# Altium PCB Whitespace_Daughtercard.PcbDoc (part 2 of 5) (continued)
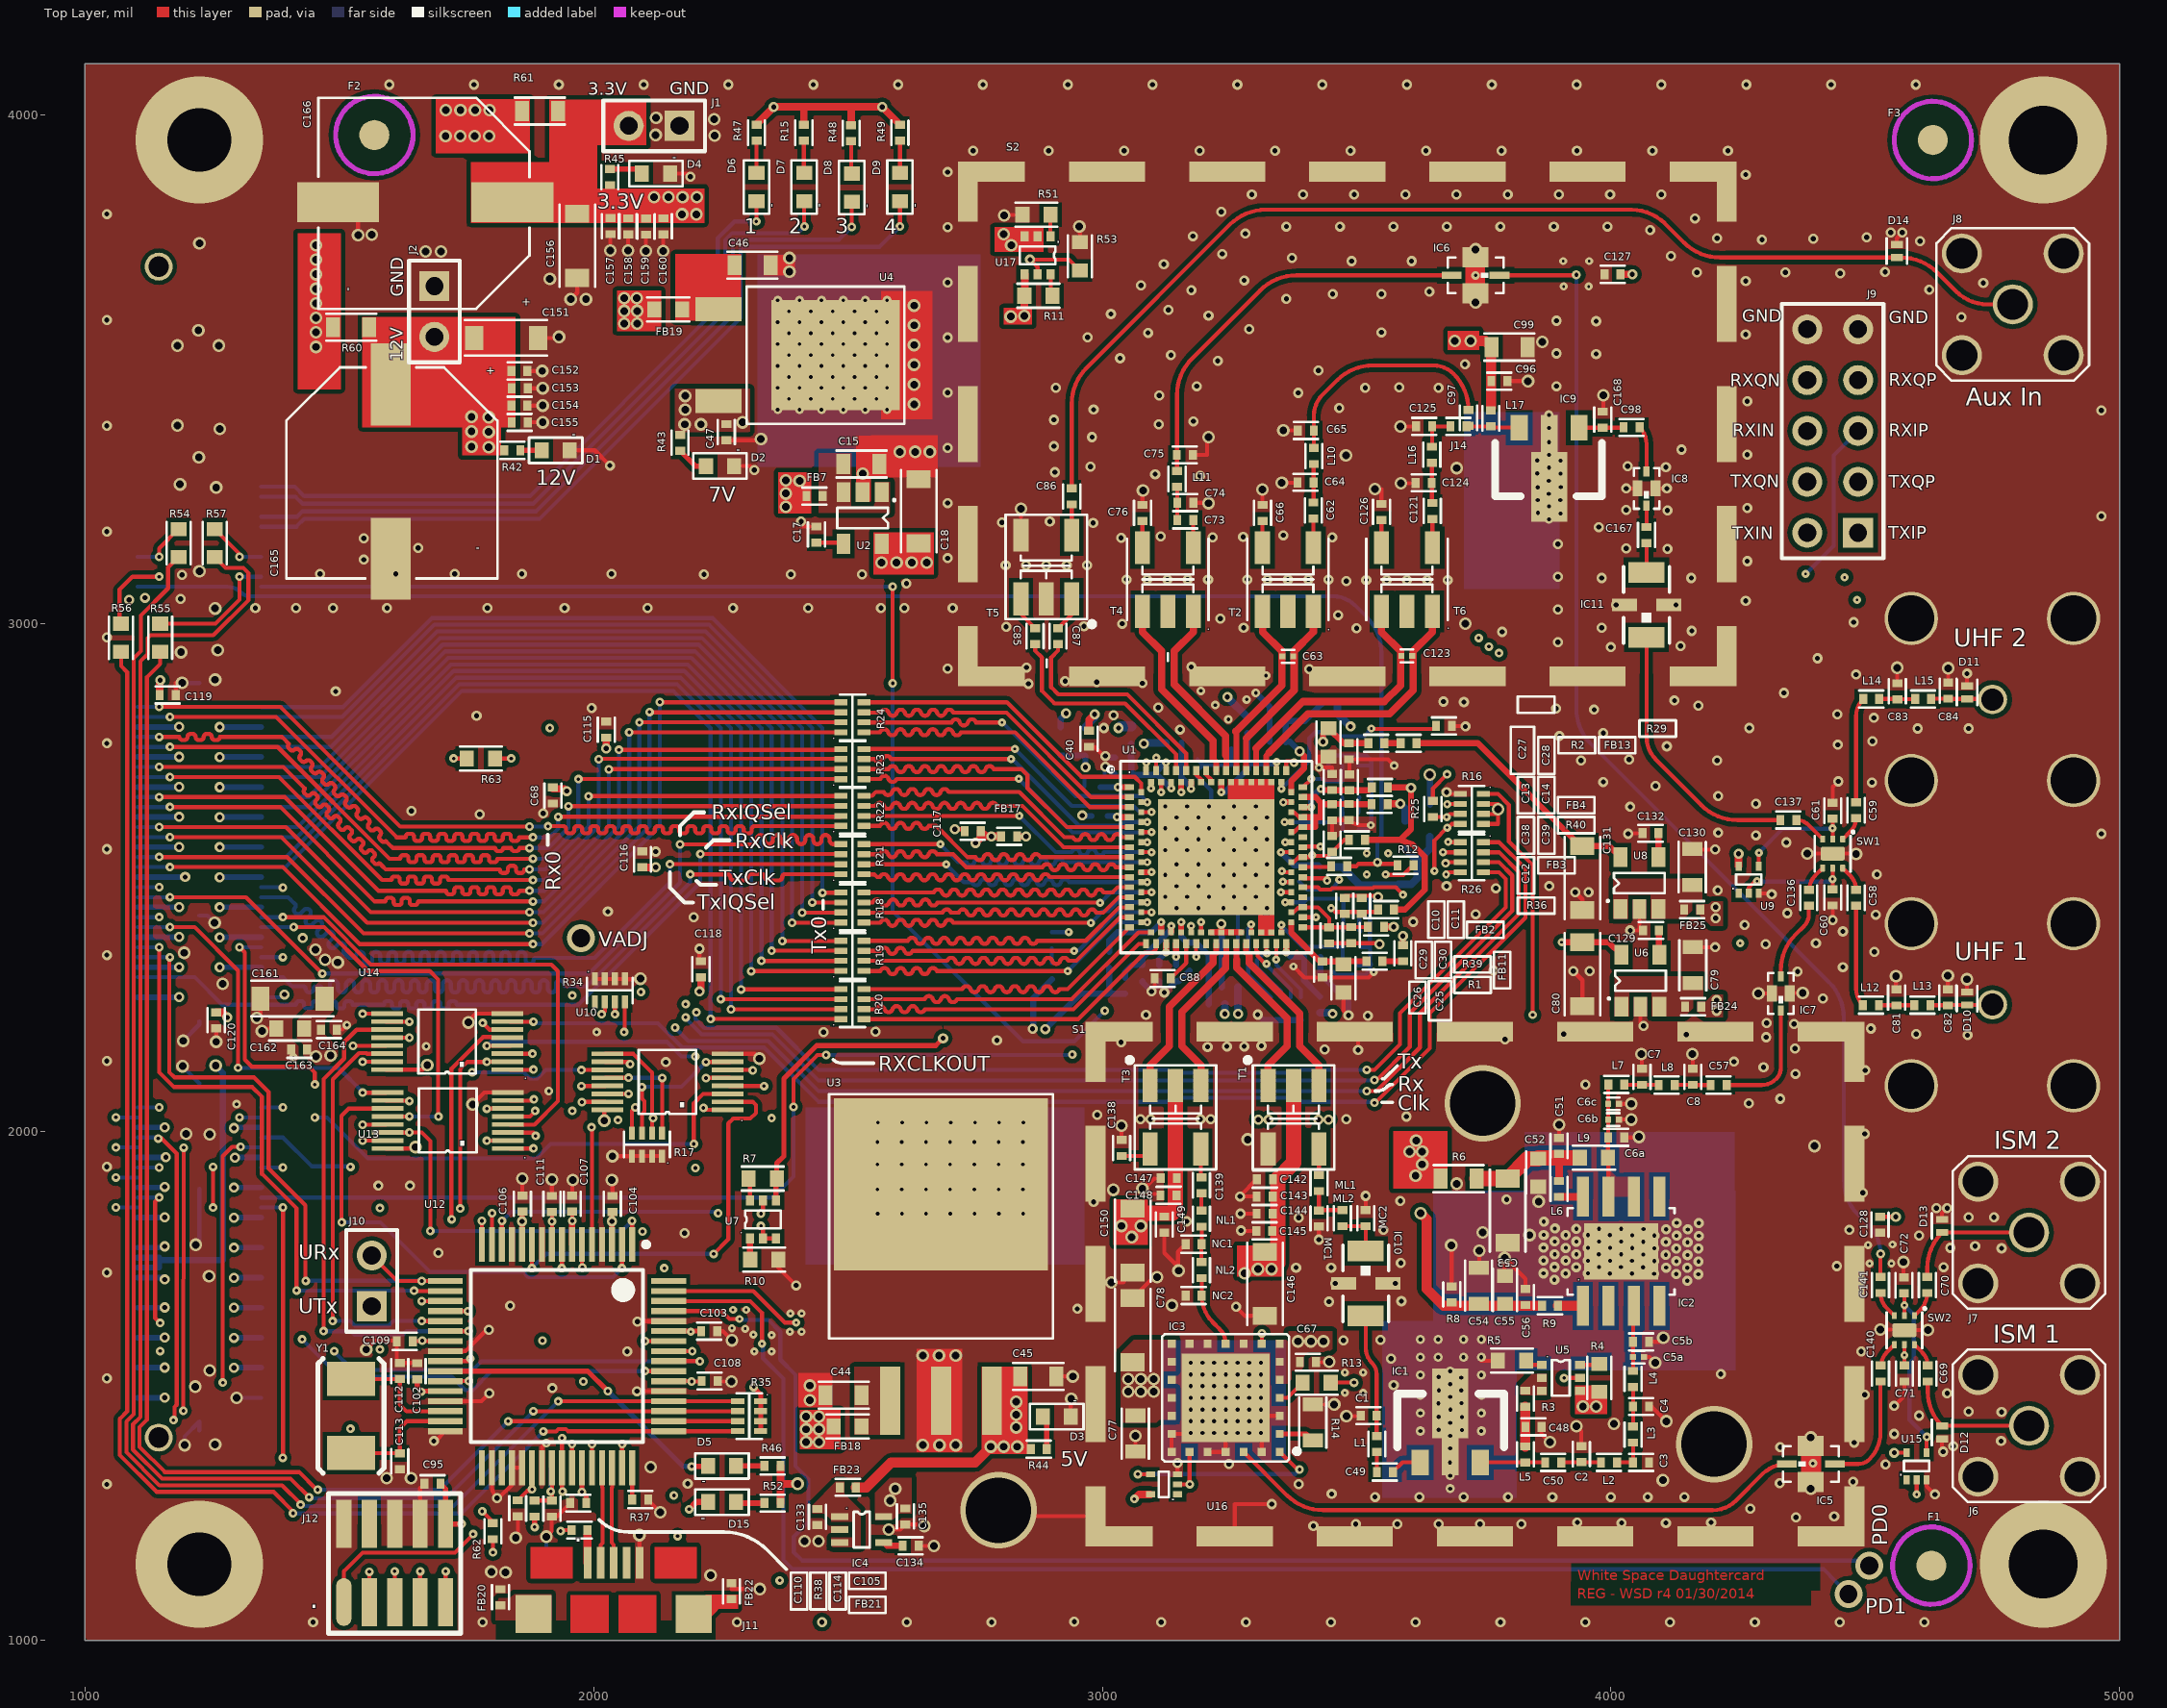
[diagram p0: Top Layer view]
## Nets (pads, with @x,y where several pads share a name; then routed paths per layer and width w, separated by ;. In a path a pad name is that pad's centre, name@x,y a point inside that pad or via, vN(x,y) a via of type N, cw(c..) or ccw(c..) an arc to the next point about the centre after c; other vN are vias at no path point) (continued)
  Bottom Layer w7.94: v3@1191.52,2882.48 J3.165@1225,2882.48 ; v3(1192,2129) 1192,2128.08 J3.169@1225,2095.08 ; v3(1193,2179) 1225,2211 J3.168@1225,2217.52 ; v3(1196,1384) 1196,1401.12 J3.172@1225,1430.12 J3.172@1225,1413 ; v3(1218,1778) 1225,1785 J3.170@1225,1887.6 ; J3.167@1225,2425 1241,2425 v3(1255,2411) ; v3(1298,1477) 1346.49,1477 J3.160@1346.65,1477.17 ; SW3.4@1907,1162 v3(1907,1204) ; C41.1@2965,2679 2965,2697.81 3005,2697.81 v1@3005,2717 ; C22.1@3187,2732 3198,2721 ; v4@3214,2636 3214,2671.5 C21.2@3186.5,2699 3186.5,2709.5 3198,2721 ; C23.2@3254,2721.5 C24.1@3254,2754 ; C23.2@3254.5,2721 3198,2721 ; C5.2@3266.5,2350 3266.5,2438 ; C35.2@3387,2492.5 3402.97,2476.53 3452.53,2476.53 v10(3466,2496) ; 3445,2709 3445,2725 3460,2740 3519,2740 3529,2730 3529,2720 ; 3454.5,2314 3459.5,2309 3517.5,2309 3526.5,2318 3526.5,2329 3526.5,2363 R33.1@3507.5,2363 ; C89.1@3503,2720 3529,2720 ; C91.1@3504,2594 3520,2594 3529,2603 3529,2720 ; C94.1@3505.5,2459 3526.31,2459 ; 3526.31,2363 3526.31,2459 ; v1(3542,2462) 3532,2462 3529,2459 3526.31,2459
  Bottom Layer w12: v1@2864,2202.5 2864,2263 R28.1@2901,2300 ; v1(2961,2622) 2962,2621 C42.1@2979,2621 ; v1@3006,2736 C20.1@3025,2736 ; v1@3010.5,2717 C19.2@3025.5,2702 ; C16.2@3079,2296.5 3079,2294 v1(3097,2276) 3112,2291 C43.1@3112,2296 ; v1@3129,2276 3129,2280 C9.1@3145,2296 3150.28,2296 C34.1@3171.28,2317 ; v2(3302,2863) 3329,2836 C37.1@3329,2808 C36.2@3329,2766.5 ; v1(3305.5,2230.5) 3316.64,2219.36 R41.1@3331.47,2219.36 R41.2@3351.16,2219.36 R41.3@3370.84,2219.36 R41.4@3390.53,2219.36 ; C31.2@3428.5,2344 3428.5,2311.5 C32.1@3428,2311 3484,2255 v1@3484,2234 ; C92.1@3504.5,2329 3526.5,2329
  other v1: 1448.48,1036 1781.96,1036 2282.17,1036 2615.65,1036 2782.39,1036 3115.87,1036 3282.61,1036 3449.35,1036 3616.09,1036 3782.83,1036 3949.56,1036 4116.3,1036 4283.04,1036 4449.78,1036 4616.52,1036 2945,1037 3415,1225 3498.4,1229 3579.8,1229 3661.2,1229 3742.6,1229 3824,1229 4021,1231 4108,1231 3934,1232 4197,1232 4364,1242 4439,1244 4274,1259 3536.2,1282 3623.4,1282 3710.6,1282 3797.8,1282 3885,1282 4000,1282 4072.25,1282 4144.5,1282 3451,1288 1043,1306.86 3386,1307 2185,1308 4332,1309 4476,1312 4540,1346 3249,1347 4333,1380 4673,1382 4478,1389 4767,1392 4557,1406 4606,1442 4768,1449 4703,1450 4499,1483 4661,1486 2085,1490 1919,1496 3573,1502 1043,1515 4216,1524 3568,1554 2066,1568 4492,1568 3474,1590 3547,1591 2951,1652 1836,1658 3446,1666 3588,1667 3458,1702 3576,1702 1043,1723.14 3381,1733 3450,1733 4654,1734 4444,1736 3587,1742 1695,1762 4768,1771 4667,1772 4716,1775 4606,1796 2179,1801 3273,1806 3553,1807 4469,1807 3166,1824 3386,1831 4703,1832 4753,1832 4640,1850 2983,1862 3586,1864 3795,1867 4495,1880 1577,1894 1639,1894 1043,1931.29 4499,1996 3075,2025 3095,2025 3193,2025 3213,2025 3480,2025 3598,2030 2989.84,2033.58 4271,2056 4333,2065 3950,2093 4363,2114 4500,2121 4300,2127 2142,2137 4242,2138 1043,2139.43 3437,2162 4362,2164 3207,2167 3245,2168 3279,2168 3313,2169 3037,2176 2793,2180 3792,2182 4305,2186 4701,2190 4148,2191 3907,2192 4600,2192 2452,2196 2554,2197 2863,2202.5 4511,2203 4360,2212 4306,2214 3522,2228 3086,2230 4417,2262 3122,2274 4367,2315 3958,2316 3769,2317 4456,2324 1043,2347.57 4518,2354 4304,2369 4403,2371 1428,2381 4456,2394 4263,2407 3611,2413 4436,2416 2197,2422 4521,2427 3734,2428 4347,2430 2028,2433 4316,2467 3956,2471 4210,2475 3774,2479 3677,2483 3879,2483 4523,2506 2122,2551 1043,2555.71 4345,2569 4285,2583 4034,2586 4964,2586 4211,2588 1776,2624 1901,2626 1642,2631 4038,2639 4285,2645 4211,2660 3677,2668 4088,2680 4513,2687 3985,2688 3006,2718 3941,2730 4209,2730 4036,2732 3006,2739 4110,2758 4446,2761 1043,2763.86 4514,2768 3899,2778 3985,2784 3153,2791 4603,2793 4703,2793 3003,2794 4272,2794 3714,2797 4517,2814 1770,2818 3022,2819 4445,2821 3967,2830 3892,2832 1996,2833 3110,2834 4172,2838 3711,2845 3671,2846 4125,2848 4340,2863 1493,2866 2855,2881 3079,2882 2989,2884 2927,2886 4482,2899 3407,2910 2696,2911 2851,2913 3175,2914 4406,2931 4000,2953 4137,2955 3896,2962.6 1043,2972 3786,2983 4159,2985 3500,2990 3278,2991 3982,2991 2811,2993 2964,2994 3039,2999 4477,3002 3232,3009 3464,3016 3896,3027 1335,3030 1415,3030 1488,3030 1594,3030 1791,3030 1943,3030 2106,3030 2274,3030 2422,3030 2565,3030 2611,3030 2706,3030 4010,3036 4128,3036 4265,3044 1087,3046 1188,3048 2615,3078 3480,3083 3519,3085 3559,3085 3599,3085 3639,3085 3679,3085 3048,3086 3088,3086 3128,3086 3168,3086 3208,3086 3285,3086 3325,3086 3365,3086 3405,3086 3445,3086 3982,3089 4158,3089 3896,3091.4 1191,3095 2217,3096 2388,3096 2528,3096 1462,3097 1611,3097 1727,3097 1859,3097 2035,3097 2810,3114 2850,3114 2890,3114 2930,3114 2970,3114 4268,3122 1548,3125 2696,3127.89 4111,3146 4030,3147 1655,3148 3896,3155.8 1548,3167 3037,3168 3217,3169 3452,3169 3277,3170 3115,3171 3356,3173 1043,3180.14 3976,3189 2982,3197 2803,3198 2897,3200 4964,3210.43 4111,3222 4030,3223 4268,3226.75 2696,3236.33 3192,3290 3104,3293 2907,3297 4108,3307 2977,3308 4033,3309 4268,3331.5 4139,3341.4 2696,3344.78 2905,3348 2980,3366 1043,3388.29 3111,3391 3179,3397 2905,3400 4964,3418.57 2983,3420 3466,3423 4268,3436.25 3112,3448 2696,3453.22 3385,3453 2909,3463 3517,3463 3661,3463 3584,3464 3186,3466 3893,3466 3425,3497 3713,3509 3227,3516 3035,3521 3135,3527 3971,3529.4 3893,3530.4 2696,3561.67 2971,3562 4265,3567.75 3090,3571 3549,3572 3289,3578 3971,3593.8 3893,3594.8 1043,3596.43 4689,3602 3209,3605 3017,3608 3130,3616 3362,3638 3453,3647 3549,3647 3643,3652 3175,3655 4626,3656 3076,3664 4732,3669 2696,3670.11 4265,3672.5 3279,3674 4451,3688 4169,3690 4343,3690 4539,3691 3121,3706 3490,3712 3608,3712 3373,3718 4118,3722 3236,3726 4608,3751 4297,3754 4398,3756 4209,3757 4503,3759 3178,3761 3281,3766 4550,3768 4077,3773 2696,3778.56 3362,3780 3467.17,3780 3572.33,3780 3677.5,3780 3782.67,3780 3887.83,3780 3993,3780 4165,3796 1043,3804.57 3234,3809 3294,3843 3394.62,3843 3495.25,3843 3595.88,3843 3696.5,3843 3797.12,3843 3897.75,3843 3998.38,3843 4099,3843 4265,3882 2696,3887 2746,3929 2894.4,3929 3042.8,3929 3191.2,3929 3339.6,3929 3488,3929 3636.4,3929 3784.8,3929 3933.2,3929 4081.6,3929 4230,3929 1598.22,4059 1764.96,4059 1931.7,4059 2098.44,4059 2265.17,4059 2431.91,4059 2598.65,4059 2765.39,4059 2932.13,4059 3098.87,4059 3265.61,4059 3432.35,4059 3599.09,4059 3765.83,4059 3932.57,4059 4099.3,4059 4266.04,4059 4432.78,4059 4599.52,4059
  other v2: 4397,1348 1997,1386.02 2558.33,1839 2606,1839 2653.67,1839 2701.33,1839 2749,1839 2796.67,1839 2844.33,1839 2558,1887 2605.67,1887 2653.33,1887 2701,1887 2748.67,1887 2796.33,1887 2844,1887 2558,1936 2605.67,1936 2653.33,1936 2701,1936 2748.67,1936 2796.33,1936 2844,1936 2558,1980 2605.67,1980 2653.33,1980 2701,1980 2748.67,1980 2796.33,1980 2844,1980 2559,2018 2606.67,2018 2654.33,2018 2702,2018 2749.67,2018 2797.33,2018 2845,2018 1298,2054.35 1912,2080 1671,2168 2006,2196 3377,2726 3248,2811 3222,2839 3284,2850 3194,2867 3322,2897 3734,3684
  other v3: 2230,1128 1827,1134 1799,1135 2415,1195 2442,1195 2650,1225 4393,1298 4102,1315 1593,1319 1641,1319 2112,1341 2647,1384 2680,1384 2712,1384 1256,1385 4393,1399 4006,1426 2425,1472 1217,1499 2425,1501 1245,1531 2647,1560 2679,1560 2712,1560 3137,1659 1244,1716 3150,1727 3840,1797 3748,1802 3858,1863 3022,1886 3079,1888 3697,1898 4400,1972 3286,1985 4055,1990 1245,1995 1199,1996 1348,2198 1754,2215 1271,2291 2092,2301 1195,2352 4482,2546 1256,2889 1189,2943 1261,2947 3714,2999 1256,3029 1225,3102 1258,3267 1187,3273 3697,3305 1224,3326 3479,3330 2602,3337.02 2632,3337.02 2661,3337.02 3209,3366 1265,3382 1182,3389 2630,3430.6 2630,3469.4 2630,3508.2 1182,3546 1263,3546 2630,3547 3865,3553 1932,3563 1223,3576 2630,3585.8 2630,3624.6 3734,3631 1985,3637 1914,3677 2385,3691 2385,3718 1670,3731 1700,3731 3734,3735 1225,3747 1564,3764 2955,3780 2807,3802 2238,3959 2122,3960 2237,3991 2123,3994
  other v4: 3683.99,1324.02 3683.79,1349.86 3683.89,1377.43 3683.99,1402.46 3174,1408 3197,1408 3220,1408 3243,1408 3266,1408 3289,1408 3312,1408 3661.39,1414.16 3707.25,1413.64 3684.09,1427.65 3174,1431 3197,1431 3220,1431 3243,1431 3266,1431 3289,1431 3312,1431 3707,1439 3661.39,1439.56 3174,1454 3197,1454 3220,1454 3243,1454 3266,1454 3289,1454 3312,1454 3684.3,1453.9 3660.68,1465.91 3706.04,1466.47 3174,1477 3197,1477 3220,1477 3243,1477 3266,1477 3289,1477 3312,1477 3684.2,1478.98 3661.7,1491.65 3705.99,1491.55 3174,1500 3197,1500 3220,1500 3243,1500 3266,1500 3289,1500 3312,1500 3684.15,1504.07 3705.78,1516.64 3661.39,1518 3174,1523 3197,1523 3220,1523 3243,1523 3266,1523 3289,1523 3312,1523 3684.15,1529.2 3174,1546 3197,1546 3220,1546 3243,1546 3266,1546 3289,1546 3312,1546 3146,2440 3189,2440 3238,2440 3281,2440 3324,2440 3124,2462 3167,2462 3210,2462 3259,2462 3302,2462 3146,2483 3189,2483 3238,2483 3281,2483 3324,2483 3124,2505 3167,2505 3210,2505 3259,2505 3302,2505 3146,2526 3189,2526 3238,2526 3281,2526 3324,2526 3124,2554 3167,2554 3210,2554 3259,2554 3302,2554 3146,2575 3189,2575 3238,2575 3281,2575 3324,2575 3259,2596 3124,2597 3167,2597 3210,2597 3302,2597 3146,2618 3189,2618 3238,2618 3281,2618 3324,2618 3124,2640 3167,2640 3210,2640 3259,2640 3302,2640 3878.11,3204.43 3900.86,3215.63 3856.47,3217 3878.11,3229.57 3856.27,3242.08 3900.56,3241.98 3878.06,3254.65 3856.22,3267.17 3901.57,3267.73 3877.96,3279.74 3900.86,3294.08 3855.25,3294.64 3878.16,3305.99 3900.86,3319.48 3855,3320 3878.26,3331.17 3878.36,3356.21 3878.46,3383.77 3878.26,3409.62
  other v5: 3477,1487 3513,1487 3477,1527 3513,1527 2316,1568 2350,1568 2350,1600 2314,1601 2386,1607 2409,1607 2298,1613 2272,1614 2387,1643 2409,1643 2274,1650 2300,1650 4508.47,1741.53 4551.47,1741.53 4505.47,1777.53 4553.47,1778.53 3520,2506 3520,2548 3562,2548 3907,3662 3956,3662 3906,3712 3957,3712
  other v6: 4150.11,1707.28 3888.93,1708.9 4128.42,1720.41 4172,1720 3910.92,1721.42 3998.03,1721.37 4041.41,1721.16 4084.94,1720.81 3867.24,1721.82 3954.71,1721.57 4063.3,1733.48 4108.73,1733.07 4150.31,1732.57 3889.23,1734.09 3931.71,1733.88 3976.45,1734.09 4019.72,1733.93 4172.25,1745.19 4041.56,1746.3 4085.14,1745.84 4128.67,1745.59 3867.49,1747.01 3911.17,1746.6 3954.76,1746.6 3998.18,1746.65 4107.99,1758.26 4150.56,1757.75 3889.49,1759.27 3931.97,1759.07 3976.39,1759.22 4019.98,1759.02 4063.56,1758.66 4172.25,1770.32 4041.82,1771.38 4085.3,1771.03 4128.67,1770.73 3867.49,1772.14 3911.17,1771.74 3954.71,1771.69 3998.39,1771.74 4108.08,1783.41 4150.56,1782.89 3889.49,1784.41 3931.97,1784.2 3976.45,1784.25 4020.08,1784.25 4063.56,1783.8 4172.66,1795.41 4085.5,1796.11 4129.08,1795.81 3867.9,1797.23 3911.27,1796.98 3954.76,1796.82 3998.08,1796.87 4042.02,1796.67 4108.39,1808.48 4150.97,1807.97 3932.02,1809.34 3976.45,1809.44 4020.03,1809.29 4063.96,1808.88 3889.91,1809.98 4129.23,1820.84 3868.16,1823.5
  other v7: 2362,3420 2405,3420 2448,3420 2491,3420 2534,3420 2577,3420 2384,3441 2427,3441 2470,3441 2513,3441 2556,3441 2362,3463 2405,3463 2448,3463 2491,3463 2534,3463 2577,3463 2384,3484 2427,3484 2470,3484 2513,3484 2556,3484 2362,3506 2405,3506 2448,3506 2491,3506 2534,3506 2577,3506 2384,3527 2427,3527 2470,3527 2513,3527 2556,3527 2362,3549 2405,3549 2448,3549 2491,3549 2534,3549 2577,3549 2384,3570 2427,3570 2470,3570 2513,3570 2556,3570 2362,3592 2405,3592 2448,3592 2491,3592 2534,3592 2577,3592 2384,3613 2427,3613 2470,3613 2513,3613 2556,3613 2362,3635 2405,3635 2448,3635 2491,3635 2534,3635 2577,3635
  other v9: 3683.89,1298.38 3625.24,1411.72 3745.24,1411.72 3625.24,1446.72 3745.24,1446.72 3625.24,1481.72 3745.24,1481.72 3625.24,1521.72 3745.24,1521.72 3625.24,1556.72 3660.24,1556.72 3710.24,1556.72 3625.24,1591.72 3660.24,1591.72 3710.24,1591.72 3745.24,1591.72
  other v14: 4203,1386 3748,2056
  other v15: 1225,1150 1225,3950
  other v16: 4850,1150 4850,3950
  other v19: 4172.86,1820.44
HSMC_3.3V: J3.45 J3.51 J3.57 J3.63 J3.69 J3.75 J3.81 J3.87 J3.93 J3.99 J3.105 J3.111 J3.117 J3.123 J3.129 J3.135 J3.141 J3.147 J3.153 J3.159 R61.2 | length 1359.8
  Bottom Layer w11: J3.159@1103.35,1477.17 v1@1156.66,1477.17 ; J3.153@1103.35,1536.22 v1@1156.66,1536.22 ; J3.147@1103.35,1595.28 v1@1156.66,1595.28 ; J3.141@1103.35,1654.33 v1@1156.66,1654.33 ; J3.135@1103.35,1713.39 v1@1156.66,1713.39 ; J3.129@1103.35,1772.44 v1@1156.66,1772.44 ; J3.123@1103.35,1831.5 v1@1156.66,1831.5 ; J3.117@1103.35,1890.55 v1@1156.66,1890.55 ; J3.111@1103.35,1949.61 v1@1156.66,1949.61 ; J3.105@1103.35,2008.66 1156.66,2008.66 v1(1157,2009) ; J3.99@1103.35,2264.57 v1@1184.73,2264.57 ; J3.93@1103.35,2323.62 v1@1184.73,2323.62 ; J3.87@1103.35,2382.68 v1@1184.73,2382.68 ; J3.81@1103.35,2441.73 v1@1184.73,2441.73 ; J3.75@1103.35,2500.79 v1@1197,2500.79 ; J3.69@1103.35,2559.84 v1@1184.73,2559.84 ; J3.63@1103.35,2618.9 v1@1184.73,2618.9 ; J3.57@1103.35,2677.95 v1@1184.73,2677.95 ; J3.51@1103.35,2737.01 v1@1184.73,2737.01 ; J3.45@1103.35,2796.06 v1@1184.73,2796.06
  other v1: 1157,1477.5 1157,1536.56 1157,1595.61 1157,1654.67 1157,1709.72 1157,1774.78 1157,1831.83 1157,1891.89 1159,1949.94 1185,2264.83 1185,2323.89 1185,2382.94 1185,2442 1197,2501 1185,2560.11 1185,2619.17 1185,2678.22 1185,2737.28 1185,2796.33 1118,3050
  other v3: 1709,3958 1737.57,3958 1766.14,3958 1794.71,3958 1738.29,4009 1766.86,4009 1795.43,4009
  other v11: 1709.71,4009
HSMC_12V: J3.46 J3.52 J3.58 J3.64 J3.70 J3.76 J3.82 J3.88 J3.94 J3.100 J3.106 J3.112 J3.118 J3.124 J3.130 J3.136 J3.142 J3.148 J3.154 R60.2 | length 1259.9
  Bottom Layer w7.94: J3.100@1346.65,2264.57 1386.57,2264.57 v1(1392,2270)
  Bottom Layer w11: v1@1265.27,2323.62 J3.94@1346.65,2323.62 ; v1@1265.27,2382.68 J3.88@1346.65,2382.68 ; v1@1265.27,2441.73 J3.82@1346.65,2441.73 ; v1@1265.27,2500.79 J3.76@1346.65,2500.79 ; v1@1265.27,2559.84 J3.70@1346.65,2559.84 ; v1@1265.27,2618.9 J3.64@1346.65,2618.9 ; v1@1265.27,2677.95 J3.58@1346.65,2677.95 ; v1@1265.27,2737.01 J3.52@1346.65,2737.01 ; v1@1265.27,2796.06 J3.46@1346.65,2796.06 ; v1@1293.34,1536.22 J3.154@1346.65,1536.22 ; v1@1293.34,1595.28 J3.148@1346.65,1595.28 ; v1@1293.34,1654.33 J3.142@1346.65,1654.33 ; v1@1293.34,1713.39 J3.136@1346.65,1713.39 ; v1@1293.34,1772.44 J3.130@1346.65,1772.44 ; v1@1293.34,1831.5 J3.124@1346.65,1831.5 ; v1@1293.34,1890.55 J3.118@1346.65,1890.55 ; v1@1293.34,1949.61 J3.112@1346.65,1949.61 ; v1@1293.34,2008.66 J3.106@1346.65,2008.66
  other v1: 1293,1535.88 1293,1594.94 1293,1653.99 1293,1713.05 1293,1772.1 1293,1831.16 1293,1890.21 1295,1949.27 1293,2007.32 1265,2323.35 1265,2382.41 1265,2441.46 1265,2500.52 1265,2559.57 1265,2618.63 1265,2677.69 1265,2736.74 1265,2795.8
  other v3: 1454,3543.29 1454,3571.86 1454,3629 1454,3657.57 1454,3686.14 1454,3714.71 1454,3743.29
  other v11: 1454,3600.43
HSMC_VADJ: J3.131 J3.133 R59.1 R102.2 | length 3715
  MidLayer1 w12: v1(2929,2823) 2957.3,2823 2976.3,2842 3028.7,2842 3057.7,2813 3210.42,2813 3231.92,2791.5 3460.5,2791.5 3552,2700 v3@3644,2700
  MidLayer2 w12: v3(1257,2130) 1257,2142.77 1281.5,2167.27 1281.5,2167.5 1311,2197 1311,2342.42 1323.5,2354.92 1323.5,2424.5 1344,2445 1750,2445 1856,2339 1975,2339 ; v13(1975,2381) 1975,2339 ; v1(2929,2823) 2928,2824 2731,2824 2246,2339 1975,2339
  Bottom Layer w12: J3.133@1103.35,1733.07 1146,1733.07 1146,1748 ; J3.131@1103.35,1752.76 1146,1752.76 1146,1748 ; v3(1257,2130) 1271.5,2115.5 1271.5,1748 1146,1748 ; R102.2@2918,2795.12 2918,2812 v1(2929,2823) ; R59.1@3644,2642.92 v3(3644,2702)
JTAG_TCK_3: J3.35 R54.2 | length 112.8
  Top Layer w7.94: v2(1146,3130.71) 1146,3147.12 R54.2@1184,3185.12
  Bottom Layer w7.94: J3.35@1103.35,3130.71 v2(1146,3130.71)
JTAG_TDI_3: J3.38 R55.2 | length 263
  Top Layer w7.94: R55.2@1148,2999.12 1256.48,2999.12 1304,3046.64 v2(1304,3091.34)
  Bottom Layer w7.94: v2(1304,3091.34) J3.38@1346.65,3091.34
JTAG_TDO_3: J3.37 R56.2 | length 199.2
  Top Layer w7.94: R56.2@1071,2999.12 1068.03,3002.09 1068.03,3066.03 1093.34,3091.34 v2(1146,3091.34)
  Bottom Layer w7.94: J3.37@1103.35,3091.34 v2(1146,3091.34)
JTAG_TMS_3: J3.36 R57.2 | length 117.4
  Top Layer w7.94: R57.2@1255,3185.12 1304,3136.12 v2(1304,3130.71)
  Bottom Layer w7.94: v2(1304,3130.71) J3.36@1346.65,3130.71
LMS_SCLK_4: R26.8 U1.70 | length 394.6
  Top Layer w7.94: v5(3353,2513) 3355.53,2510.47 U1.70@3371.64,2510.47 ; v10@3679.37,2569.37 R26.8@3703.72,2569.37
  MidLayer2 w7.94: v5(3353,2513) 3366.75,2526.75 3424.75,2526.75 3467,2569 3679,2569 v10(3680,2570)
LMS_SDIO_4: R26.6 U1.69 | length 376.3
  Top Layer w7.94: U1.69@3394.28,2500.63 3396.47,2498.44 3437.56,2498.44 v2(3442,2494) ; v2(3675,2528) 3675,2529 3676,2530 R26.6@3703.72,2530
  MidLayer1 w7.94: v2(3442,2494) 3442,2519.39 3490.61,2568 3622,2568 3660.03,2529.97 3674.03,2529.97 3675,2529 v2(3675,2528)
LMS_SDO_4: R26.7 U1.68 | length 422.4
  Top Layer w7.94: v5(3355,2492) 3356.21,2490.79 U1.68@3371.64,2490.79 ; v10@3670,2549.68 R26.7@3703.72,2549.68
  MidLayer2 w7.94: v5(3355,2492) 3415,2492 3424.28,2501.28 3424.28,2501.67 3446.61,2524 3462,2524 3501,2485 3599,2485 3664,2550 v10(3670,2550)
LMS_SEN_4: R26.5 U1.67 | length 338.5
  Top Layer w7.94: U1.67@3394.28,2480.94 3424,2480.94 3428.41,2476.53 3449.24,2476.53 3451.74,2479.03 3532.21,2479.03 3534.14,2480.97 3577.03,2480.97 v10@3589,2469 ; v10(3676,2506) 3680.31,2510.31 R26.5@3703.72,2510.31
  MidLayer1 w7.94: v10@3589,2469 3593,2465 3632.17,2465 3673.17,2506 v10(3676,2506)
  other v10: 3591,2466
MASTER_CLK: R26.1 U14.7 | length 2458.6
  Top Layer w7.94: U14.7@1836,2216.49 v2@1881.67,2216.49 ; v8@3535,2059 3538.7,2059 3644.06,2164.35 3644.06,2233.31 3831.78,2421.04 3831.78,2517.59 3780,2569.37 R26.1@3749,2569.37
  Bottom Layer w7.94: v2(1881.91,2216.72) 1885.1,2213.53 2126.47,2213.53 2174.28,2165.72 2335.28,2165.72 2442,2059 3128.17,2059 3136.14,2066.97 3383.86,2066.97 3391.83,2059 v8@3535,2059
  other v8: 3535,2057
MASTER_FSS: R26.4 U14.4 | length 2484.6
  Top Layer w7.94: v2@1790.33,2169.24 U14.4@1836,2169.24 ; v8(3520,2122) 3535,2122 3585,2172 3585,2233.31 3792.97,2441.28 3792.97,2497.35 3780,2510.31 R26.4@3749,2510.31
  MidLayer1 w7.94: v2(2200,2148) 2200,2233 v2(2202,2235)
  Bottom Layer w7.94: v2(1790.09,2169.01) 1798.09,2177 2144,2177 2173,2148 v2(2200,2148) ; v2@2200,2235 2200,2222 2217.47,2204.53 2359.47,2204.53 2442,2122 3130.17,2122 3136.14,2116.03 3383.86,2116.03 3389.83,2122 v8(3520,2122)
MASTER_RX: R26.2 U14.12 | length 2685.6
  Top Layer w7.94: U14.12@1591.91,2184.99 v2@1637.58,2184.99 ; v8(3520,2080) 3538.7,2080 3624.37,2165.67 3624.37,2233.31 3818.84,2427.79 3818.84,2510.84 3780,2549.68 R26.2@3749,2549.68
  MidLayer2 w7.94: v2(1637.81,2185.23) 1689.58,2237 1927.7,2237 1940.05,2224.66 1984.86,2224.66 2008.67,2248.47 2066.53,2248.47 2110,2205 v2(2160,2205)
  Bottom Layer w7.94: v2(2160,2205) 2186.34,2178.66 2343.34,2178.66 2442,2080 v8(3520,2080)
MASTER_TX: R26.3 U14.9 | length 2712.6
  Top Layer w7.94: v2@1546.24,2232.24 U14.9@1591.91,2232.24 ; v8@3535,2101 3538.7,2101 3604.69,2166.98 3604.69,2233.31 3805.91,2434.54 3805.91,2504.09 3780,2530 R26.3@3749,2530
  MidLayer2 w7.94: v2(1546,2232) 1565.53,2251.53 1931.47,2251.53 1945.41,2237.59 1970.59,2237.59 1996,2263 2079.71,2263 2117.71,2225 v2(2181,2225)
  Bottom Layer w7.94: v2(2181,2225) 2181,2222.7 2212.11,2191.59 2351.41,2191.59 2442,2101 v8@3535,2101
  other v8: 3535,2102
NetC1_2: C1.2 IC10.3 L1.1 | length 241.2
  Top Layer w7.94: IC10.3@3518,1638 3518,1574.97 ccw(c3558.97,1574.97) 3530,1546 cw(c3507.34,1523.34) 3539.39,1523.34 C1.2@3539.39,1442 L1.1@3539.39,1402.5
NetC2_2: C2.2 C50.2 L2.1 | length 78
  Top Layer w7.94: C50.2@3902.39,1350 3941.39,1350 L2.1@3980.39,1350
NetC4_2: C4.2 L3.2 L4.1 | length 78
  Top Layer w7.94: L3.2@4043.5,1420.5 4043.5,1459.5 L4.1@4043.5,1498.5
NetC5a_2: C5a.2 C5b.2 IC2.3 L4.2 | length 126.2
  Top Layer w7.94: C5b.2@4043.44,1586.94 C5a.2@4043.44,1557.09 4043.5,1557.03 L4.2@4043.5,1529.99 ; C5b.2@4043.5,1587 IC2.3@4043.5,1656.22
NetC6a_2: C6a.2 C6b.2 C6c.2 IC2.6 IC2.7 L7.1 L9.1 | length 218.2
  Top Layer w7.94: L9.1@3994,1949 C6a.2@3994,1988 ; L7.1@3994.44,2092.44 3994.44,2063.09 3994.44,2018.09 3994.5,2018.03 C6a.2@3994.5,1989 ; IC2.7@3995,1872.28 L9.1@3995,1948
NetC7_2: C7.2 L7.2 L8.1 | length 66.5
  Top Layer w7.94: L7.2@4026.99,2092.5 C7.2@4061,2092.5 L8.1@4093.5,2092.5
NetC8_2: C8.2 C57.1 L8.2 | length 69.5
  Top Layer w7.94: L8.2@4126,2092.5 C8.2@4161,2092.5 ; C8.2@4161.5,2092 C57.1@4196,2092
NetC13_1: C13.1 C14.2 FB4.1 U1.83 | length 164.7
  Top Layer w12: U1.83@3394.28,2638.43 v5(3411,2638.43) ; v5(3430,2674) 3432,2672 C13.1@3452,2672 3452.5,2671.5 C14.2@3486,2671.5 3524.5,2671.5 FB4.1@3530,2677
  Bottom Layer w12: v5(3411,2638.43) 3411,2657 3428,2674 v5(3430,2674)
NetC15_2: C15.2 FB7.1 U2.1 U2.3
NetC17_2: C17.2 U2.4 | length 54.4
  Top Layer w7.94: C17.2@2438,3158.52 2488.91,3158.52 U2.4@2491.4,3156.03
NetC44_1: C44.1 FB18.2 U3.1
NetC46_1: C46.1 FB19.2 U4.1
NetC49_1: C49.1 L1.2 | length 39
  Top Layer w7.94: C49.1@3539.89,1331 L1.2@3539.89,1370
NetC49_2: C49.2 IC1.1 | length 61.4
  Top Layer w7.94: C49.2@3571.39,1331 3590.39,1350 IC1.1@3624.89,1350
NetC50_1: C50.1 IC1.3 L5.1 | length 127.9
  Top Layer w7.94: IC1.3@3743,1350 L5.1@3831.89,1350 C50.1@3870.89,1350
NetC58_1: C58.1 SW1.6 | length 51.7
  Top Layer w7.94: SW1.6@4455.69,2518.46 4470.59,2503.56 cw(c4443.03,2476) C58.1@4482,2476
NetC59_2: C59.2 SW1.1 | length 50.3
  Top Layer w7.94: SW1.1@4455.69,2575.54 4471.64,2591.5 ccw(c4446.64,2616.5) C59.2@4482,2616.5
NetC62_1: C62.1 T2.6 | length 57.4
  Top Layer w7.94: T2.6@3415,3148.6 C62.1@3415,3206
NetC62_2: C62.2 C64.2 L10.1 | length 74.5
  Top Layer w7.94: C62.2@3415.5,3237.99 C64.2@3415.5,3277 L10.1@3415.5,3312.5
NetC66_1: C66.1 T2.4 | length 52.4
  Top Layer w7.94: T2.4@3315,3148.6 C66.1@3315,3201
NetC69_1: C69.1 SW2.6 | length 50.3
  Top Layer w7.94: SW2.6@4596.69,1581.46 4612.64,1565.5 cw(c4587.64,1540.5) C69.1@4623,1540.5
NetC70_1: C70.1 SW2.1 | length 53
  Top Layer w7.94: SW2.1@4596.69,1638.54 4608.46,1650.32 ccw(c4575.79,1683) C70.1@4622,1683
NetC73_1: C73.1 T4.6 | length 55.6
  Top Layer w7.94: T4.6@3178.67,3147.07 C73.1@3178.67,3202.67
NetC73_2: C73.2 C74.2 L11.1 | length 64.5
  Top Layer w7.94: C73.2@3147.5,3203 C74.2@3147.5,3237 L11.1@3147.5,3267.5
NetC76_1: C76.1 T4.4 | length 52.4
  Top Layer w7.94: T4.4@3079,3148.6 C76.1@3079,3201
NetC79_2: C79.2 FB24.1 U6.1 U6.3
NetC81_2: C81.2 L12.2 L13.1 | length 69.5
  Top Layer w7.94: L12.2@4527,2249 L13.1@4596.5,2249
NetC82_2: C82.2 D10.2 J4.1 L13.2 | length 120.3
  Top Layer w7.94: L13.2@4628,2249 C82.2@4662,2249 ; C82.2@4663.2,2249.2 D10.2@4700,2249.2 ; D10.2@4700,2249.5 J4.1@4749.5,2249.5